# KiCad board MasterController.kicad_pcb (continued)
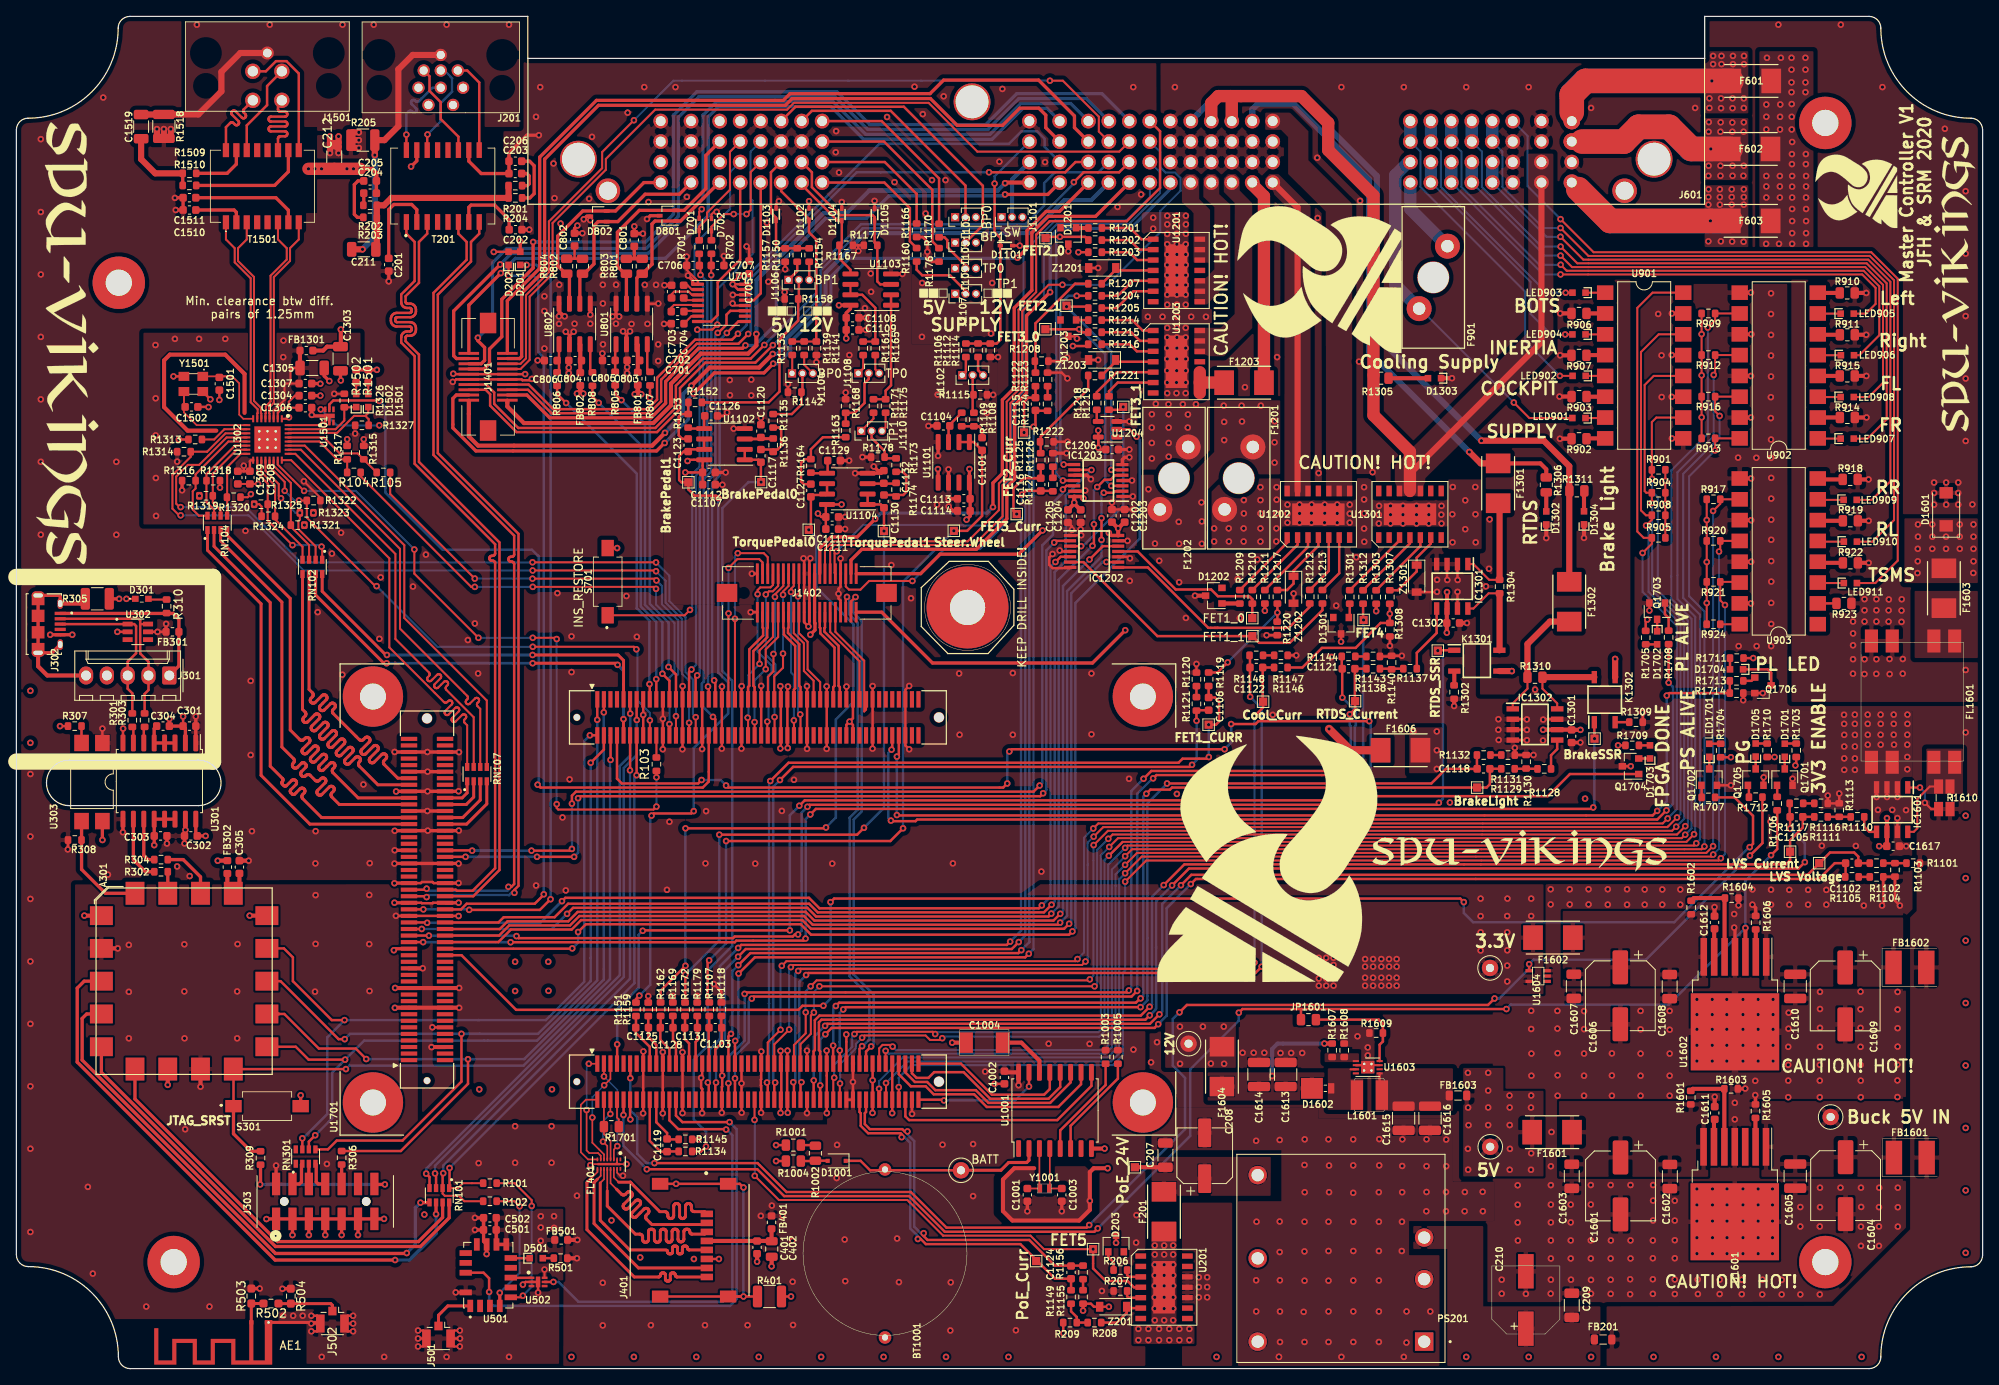
[diagram p0: board, top side]
## Routing (per net, layer and track width the routed paths; a pad name or vN(x,y) marks a point on that pad's centre or on a via; arc(x,y) is an arc through that point) (continued)
GND-1: length 19.9
  Top w0.75: J1501.5 27.33,160.53 25.02,158.22 25.02,155.85 22.21,153.04 R1518.2 17.99,153.03 C1519.2
  vias: v1(22.03,163.99) v1(30.92,163.99) v1(39.81,163.99)
GND-2: length 31.7
  Top w0.75: J201.9 48.37,160.3 46.62,158.55 46.62,151.6 44.92,149.9 R205.1 v1(43.75,148.07) ; v1(42.25,136.57) 40.92,136.57
  Bottom w0.75: v1(42.25,136.57) 43.75,138.07 v1(43.75,148.07)
  vias: v1(43.62,163.99) v1(52.51,163.99) v1(60.13,163.99)
GND-3: length 25.1
  Top w0.4: J302.S1 4.35,87.35 J302.S1 J302.S1 5.38,94.35 5.35,94.33 J302.S1
  Top w0.5: J301.5 3.77,84.58 2.65,85.7 J302.S1 ; R305.2 7.83,93.35 J302.S1
GND-4: length 37.5
  Top w0.3: v1(88.75,22.1) 88.3,22.55 v1(80.53,22.55) J401.S ; 86.84,22.59 J401.S ; v1(88.75,8.8) J401.S ; J401.S R401.2
  Bottom w0.3: v1(88.75,22.1) v1(88.75,8.8)
GND-LV_Unfiltered: length 19.9
  Top w0.5: D1304.1 v1(191.34,101.36) ; 189.82,113.47 v1(188.4,113.47) ; R911.2 v1(225.8,126.15) ; v1(226.09,98.32) R922.2 ; v1(175.22,120.85) D1303.1 ; R906.2 v1(188.44,128.76) ; v1(186.74,101.35) D1302.1 ; R907.2 v1(188.43,123.65) ; R918.2 v1(226.08,108.5) ; R915.2 v1(225.81,121.13) ; R919.2 v1(226.09,103.45) ; R903.2 v1(188.35,118.61) ; R910.2 v1(225.8,131.25) ; R914.2 v1(225.83,116.06)
  vias: v1(141.41,156.37) v1(149.96,119.75) v1(153.84,141.32) v1(153.88,123.42) v1(158.78,147.75) v1(158.84,140.4) v1(158.96,109.28) v1(161.73,156.37) v1(163.88,122.88) v1(164.01,142.5) v1(165.54,109.38) v1(169.35,156.37) v1(176.97,156.37) v1(179.38,95.45) v1(179.82,103.62) v1(179.75,97.6) v1(184.59,156.37) v1(185.38,82.85) v1(192.21,153.83) v1(204.91,153.83) v1(215.07,163.99) v1(222.69,163.99) v1(224.19,91.16) v1(224.19,89.71) v1(224.19,88.26) v1(224.19,86.56) v1(224.18,84.8) v1(225.59,93.89) v1(225.59,92.53) v1(225.59,91.16) v1(225.59,86.56) v1(225.57,84.75) v1(227.03,93.89) v1(227.03,92.53) v1(227.03,91.16) v1(227.03,86.56) v1(227.03,84.78) v1(227.77,156.37) v1(228.53,92.53) v1(228.53,91.15) v1(228.55,93.85) v1(228.63,86.58) v1(228.65,84.75) v1(230.12,93.88) v1(230.1,92.5) v1(230.1,91.12) v1(230.25,84.8) v1(230.26,86.58) v1(234.07,108.12) v1(234.07,106.85) v1(234.07,105.42) v1(235.39,151.29) v1(235.55,108.12) v1(235.55,105.42) v1(237.02,108.12) v1(237.02,106.85) v1(237.02,105.42) v1(237.93,143.67) v1(237.93,136.05) v1(237.93,128.43) v1(237.93,120.81) v1(237.93,113.19) v1(237.93,85.25) v1(238.75,105.45)
GND-USB: length 14.9
  Top w0.25: D301.1 v1(13.43,93.93)
  Top w0.3: U302.2 v1(12.33,89.9) ; v1(13.02,78.1) 13.01,78.08 U301.8 ; R307.1 v1(5.33,78.4) ; C301.2 v1(20.35,79.58)
  Top w0.4: v1(4.12,89.55) J302.5 v1(6.83,89.55) ; R305.1 v1(12.54,93.93) ; v1(18.67,79.28) C304.2 C301.2 20.63,78.12 U301.2
  vias: v1(1.71,82.71) v1(1.71,76.36)
VBUS: length 11.4
  Top w0.3: FB301.2 v1(17.23,89.9) U302.5 ; v1(10.5,78.1) 10.49,78.09 U303.1 ; v1(21.9,79.58) C301.1 U301.1
  Top w0.4: v1(18.27,90.88) 18.26,90.86 FB301.2 ; U301.1 v1(21.9,79.58)
(no net): length 29.1
  Top w0.5: 27.85,116.62 27.85,121.38 25.5,123.72 18.73,123.72 18.02,123.03 18.02,117.33 20.9,114.45 24.4,114.45
  vias: v1(191.47,69.55)
+BATT: length 24.9
  Top w0.3: 115.2,24.3 TP1001.1 104.2,24.2 103.05,25.35 D1001.1
  Top w0.375: TP1001.1 120.18,24.2 121.12,25.15 123.32,25.15 123.6,25.43 U1001.2
/Actuator/Cool_V_Out: length 115.1
  Top w0.5: 166,120.88 165.65,121.22
  Top w0.75: U1301.11 170.1,109.2 186.15,125.25 J601.1-G4
  Top w1.5: 148.35,152.22 148.35,155.12 148.2,155.28 ; 145.85,152.22 145.85,154.43 146.7,155.28 148.2,155.28 ; U1301.11 170.1,111.88 165.65,116.33 165.65,143.15 160.12,148.68 160.12,152 156.85,155.28 148.2,155.28
/Bluetooth/BT_CONN: length 7.4
  Top w0.35: R502.1 32,7.93
  Top w0.37: 32,7.93 38.37,7.93 38.58,7.72 J502.1
/Bluetooth/BT_IFA: length 3.8
  Top w0.37: AE1.1 R503.1 R502.2
/Bluetooth/RXD: length 18.8
  Top w0.25: v1(61.83,8.9) 61.62,8.7 U501.5 ; R101.2 60.83,22.62 62.9,20.55 v1(62.9,19.85)
  Bottom w0.25: v1(62.9,19.85) 62.9,9.97 v1(61.83,8.9)
/Bluetooth/TXD: length 16.2
  Top w0.25: R102.2 60.8,20.43 v1(61.42,19.8)
  Top w0.4: U501.4 v1(59,9.25)
  Bottom w0.25: v1(61.42,19.8) 61.42,11.68 v1(59,9.25)
/Brake_V: length 3.8
  Top w0.3: IC1302.5 188.07,75.59 187.32,74.84 R1128.2
/CAN_Interface/CAN0_D: length 42.9
  Top w0.3: v1(67.1,117.83) 66,118.92 R806.1 ; U1701.JX1.17 77.31,83.49 v1(77.28,83.53)
  Bottom w0.3: v1(77.28,83.53) 77.28,91.24 75.72,92.79 75.72,109.2 v1(67.1,117.83)
/CAN_Interface/CAN0_H: length 26.7
  Top w0.4: 78.65,144.72 76.59,144.72 73.13,141.26 D802.2 69.14,141.26 66.07,138.19 66.07,134.57 67.04,133.6 R804.1 67.5,133.27 U802.7
  In2.Cu w0.4: 78.65,147.22 78.65,144.72
/CAN_Interface/CAN0_L: length 26.9
  Top w0.4: U802.6 68.78,133.27 R802.1 69.3,133.6 70.5,134.8 70.5,139.45 71.01,139.96 D802.1 73.41,139.96 76.75,143.3 80.92,143.3 82.35,144.72
  In2.Cu w0.4: 82.35,144.72 82.35,147.22
/CAN_Interface/CAN0_R: length 41.5
  Top w0.3: v1(71.08,117.85) 70.31,118.62 R808.2 ; U1701.JX1.19 78.11,84.11 v1(78.1,84.12)
  Bottom w0.3: v1(71.08,117.85) 76.22,112.71 76.22,92.99 78.1,91.12 v1(78.1,84.12)
/CAN_Interface/CAN1_D: length 41.1
  Top w0.3: R805.1 73.09,118.94 v1(73.85,118.17) ; v1(78.85,84.79) 79.71,83.93 U1701.JX1.23
  Bottom w0.3: v1(78.85,84.79) 78.85,91.08 76.72,93.2 76.72,115.3 v1(73.85,118.17)
/CAN_Interface/CAN1_H: length 31.1
  Top w0.4: 85.85,149.72 84.15,148.03 84.15,143.98 81.5,141.33 D801.2 76.03,141.33 73.36,138.66 73.36,134.51 73.35,134.5 74.46,133.39 74.46,129.95 U801.7
  In2.Cu w0.4: 85.85,149.72 85.85,152.22
/CAN_Interface/CAN1_L: length 23.5
  Top w0.4: 77.58,134.75 77.58,139.66 77.95,140.03 D801.1 81.07,140.03 85.77,144.72 85.85,144.72 ; 77.58,134.75 76.42,133.59 R801.1 76.37,133.57 76.22,133.57 75.73,133.09 U801.6 ; 77.58,134.75 77.58,134.75
  In2.Cu w0.4: 85.85,147.22 85.85,144.72
/CAN_Interface/CAN1_R: length 39.6
  Top w0.3: R807.2 77.34,118.49 v1(77.33,118.47) ; v1(79.6,85.61) 80.51,84.7 U1701.JX1.25
  Bottom w0.3: v1(77.33,118.47) 77.33,93.31 79.6,91.03 v1(79.6,85.61)
/CMC/AMS_Supply: length 38.9
  Top w0.75: 153.35,144.72 156.38,141.69 156.38,107.09
/CMC/BP0_Sig: length 24.3
  Top w0.25: R1133.2 94.7,125.33 R1141.2 ; 93.52,144.72 93.35,144.72
  Top w0.3: 93.35,144.72 93.35,143.68 96.75,140.28 D1102.1 96.75,138.65 97.63,137.77 97.63,125.34 R1141.2
/CMC/BP0_Supply: length 28.1
  Top w0.3: J1103.2 115.85,144.35 106.72,153.48 97.1,153.48 95.85,152.22
/CMC/BP1_Sig: length 15.3
  Top w0.3: 93.35,147.22 92.1,145.97 92.1,141.06 92.72,140.44 D1103.1 ; D1103.1 92.72,137 93.02,136.7 96.77,136.7 ; D1103.1 92.72,140.25
/CMC/BP1_Supply: length 37.1
  Top w0.3: 93.35,152.22 95.1,153.98 108.32,153.98 117.97,144.33 117.97,139.52 J1105.2
/CMC/BrakeLight_Supply: length 91.6
  Top w0.5: 189.57,107.47 189.54,107.49
  Top w0.75: 189.54,96.14 189.54,110.11 186.44,113.22 v1(178.82,113.22)
  Bottom w0.75: 143.35,152.22 146.43,155.3 156.27,155.3 166.06,145.51 166.06,125.99 v1(178.82,113.22)
/CMC/INS_RESTORE: length 73.4
  Top w0.25: 72.17,91.92 81.57,91.92 v1(82.22,92.58) ; v1(83.11,126.78) 84.95,126.78 v1(85.56,127.38)
  Bottom w0.25: v1(83.11,126.78) 83.38,126.5 83.38,110.03 82.49,109.14 ; 90.85,149.72 89.62,148.5 89.62,142.75 89.86,142.51 89.86,136.01 85.56,131.71 v1(85.56,127.38) ; 83.11,109.76 82.49,109.14 ; 82.49,109.14 82.49,92.85 v1(82.22,92.58)
/CMC/INS_RS232RX: length 20.1
  Top w0.3: U701.8 84.82,127.77 85.6,128.55 85.6,132.56 88.35,135.31 88.35,144.72
  Top w0.4: 88.35,144.72 88.35,144.62
/CMC/INS_RS232TX: length 15.8
  Top w0.3: 90.85,144.72 90.85,131.2 90.02,130.37 U701.13
/CMC/INS_SYNC_I: length 69
  Top w0.3: U1701.JX1.29 82.11,85.02 v1(82.4,85.31)
  Bottom w0.25: 88.35,147.22 87.12,146 87.12,141.52 82.77,137.17 82.77,133.1 83.83,132.04 83.83,109.85 82.94,108.96 82.94,85.85 v1(82.4,85.31)
/CMC/INS_SYNC_O: length 14.4
  Top w0.25: R701.2 83.34,139.34 83.67,139.68 ; 83.67,139.68 83.88,139.88 ; 83.67,139.68 84.3,140.3 84.3,141.05 87.1,143.85 87.1,148.47 88.35,149.72
/CMC/RTDS_Supply: length 69.4
  Top w0.5: R1306.1 186.74,109.73 186.02,110.45 F1301.1
  Top w0.75: F1301.1 180.86,110.46 178.74,110.46 v1(177.35,111.85)
  Bottom w0.75: 150.85,152.22 150.85,153.65 151.55,154.35 155.88,154.35 165.11,145.12 165.11,124.09 v1(177.35,111.85)
/CMC/SC0_I: length 9.6
  Bottom w1.5: J601.1-A4 170.15,141.49 F901.1
/CMC/SC1_I: length 40.2
  Top w0.25: LED902.2 v1(188.39,121.13)
  Bottom w0.25: J601.1-A2 171.38,148.5 171.38,144.19 184.15,131.41 184.15,125.38 v1(188.39,121.13)
  Bottom w1.5: J601.1-A1 J601.1-A2
/CMC/SC1_O: length 44.2
  Top w0.25: LED901.2 184.67,115.99 v1(182.78,117.88)
  Bottom w0.25: F901.2 171.32,129.34 v1(182.78,117.88)
  Bottom w1.5: J601.1-A3 169.91,147.22 168.3,145.61 168.3,132.26 F901.2
/CMC/SC2_I: length 29.9
  Top w0.25: LED903.2 v1(189.1,131.28)
  Bottom w0.25: v1(189.1,131.28) 186.78,131.28 173.88,144.19 173.88,148.5 J601.1-B2
  Bottom w1.5: J601.1-B2 J601.1-B1
/CMC/SC3_I: length 29.7
  Top w0.25: LED904.2 v1(189.04,126.19)
  Bottom w0.25: J601.1-B4 172.7,144.72 184.82,132.61 184.82,128.7 187.33,126.19 v1(189.04,126.19)
  Bottom w1.5: J601.1-B4 J601.1-B3
/CMC/SC4_I: length 64.7
  Top w0.25: LED905.2 225.75,128.73 226.94,129.92 226.94,131.87 225.3,133.51 v1(188.48,133.51)
  Bottom w0.25: v1(188.48,133.51) 186.37,133.51 J601.1-C4
  Bottom w1.5: J601.1-C4 J601.1-C3
/CMC/SC5_I: length 74.7
  Top w0.25: 188.48,134.71 v1(188.5,134.69) 189.23,133.96 225.49,133.96 227.39,132.06 227.39,126.1 224.95,123.66 LED906.2
  Bottom w0.25: v1(188.5,134.69) 185.87,134.69 176.38,144.19 176.38,148.5 J601.1-C2
  Bottom w1.5: J601.1-C1 J601.1-C2
/CMC/SC6_I: length 84.4
  Top w0.25: LED907.2 225.94,113.48 228.29,115.83 228.29,132.43 225.85,134.87 190.53,134.87 v1(188.49,136.91)
  Bottom w0.25: v1(188.49,136.91) 186.15,136.91 178.88,144.19 178.88,148.5 J601.1-D2
  Bottom w1.5: J601.1-D1 J601.1-D2
/CMC/SC7_I: length 74.1
  Top w0.25: LED908.2 226.11,118.56 227.84,120.29 227.84,132.24 225.67,134.41 189.88,134.41 v1(188.48,135.81)
  Bottom w0.25: J601.1-D4 186.56,135.81 v1(188.48,135.81)
  Bottom w1.5: J601.1-D4 J601.1-D3
/CMC/SC8_I: length 85.5
  Top w0.25: v1(188.47,138.11) 191.26,135.32 226.04,135.32 228.74,132.62 228.74,108.27 226.48,106.01 LED909.2
  Bottom w0.25: J601.1-E4 186.76,138.11 v1(188.47,138.11)
  Bottom w1.5: J601.1-E3 J601.1-E4
/CMC/SC10_I: length 99.1
  Top w0.25: LED911.2 226.91,95.86 229.64,98.59 229.64,132.99 226.41,136.22 192.52,136.22 v1(188.48,140.26)
  Bottom w0.25: v1(188.48,140.26) 184.46,144.28 184.46,150.41 J601.1-F1
/CMC/SC10_O: length 96
  Top w0.25: LED910.2 226.56,100.91 229.19,103.54 229.19,132.8 226.22,135.77 191.89,135.77 v1(188.48,139.18)
  Bottom w0.25: v1(188.48,139.18) 186.38,139.18 181.38,144.19 181.38,148.5 J601.1-E2
  Bottom w1.5: J601.1-E1 J601.1-E2
/CMC/SW_Sig: length 30.7
  Top w0.3: R1106.2 R1114.2 119.66,125.08 120.1,125.53 D1101.1 120.1,137.97 119.4,138.68 v1(119.4,144.6)
  Bottom w0.3: v1(119.4,144.6) 119.4,145.47 123.65,149.72 123.65,149.62
/CMC/SW_Supply: length 7.6
  Bottom w0.5: J1101.2 121.53,145.1 123.65,147.22
/CMC/TP0_Ground: length 16.8
  Top w0.3: R1166.1 109.88,143.34 106,147.22 98.35,147.22
/CMC/TP0_Sig: length 14.3
  Top w0.25: 95.85,144.63 95.85,144.72
  Top w0.3: U1103.5 101.81,134.09 100.46,135.44 R1167.2 100.75,137.35 D1104.1 100.24,140.07 95.85,144.46 95.85,144.72
/CMC/TP0_Supply: length 17.2
  Top w0.3: 98.35,144.72 105.95,144.72 109.06,141.62 109.06,137.56 R1160.1
/CMC/TP1_Ground: length 23.3
  Top w0.3: R1176.1 111.8,137.54 111.8,143.83 105.9,149.72 98.35,149.72
/CMC/TP1_Sig: length 22.6
  Top w0.3: 95.85,147.22 97.1,145.97 97.1,144.16 100.52,140.75 104.53,140.75 104.75,140.53 D1105.1 104.75,137.4 R1177.2 105.09,132.66 105.45,132.3 U1103.3
/CMC/TP1_Supply: length 22.7
  Top w0.3: R1170.1 112.62,145.22 105.62,152.22 98.35,152.22
/CMC_EXP1: length 99
  Top w0.4: 55.22,123.88 55.22,129.77 v1(59.13,133.68)
  Bottom w0.4: v1(59.13,133.68) 60.93,135.47 79.22,135.47 84.45,140.7 84.45,152.75 85.7,154 99.42,154 103.43,150 119.07,150 122.85,153.78 125.8,153.78 127.35,152.22
/CMC_EXP2: length 100.4
  Top w0.4: J1401.2 59.92,130.3 63.88,134.25 63.88,147.83 70.8,154.75 93.61,154.75 94.44,155.58 111.53,155.58 113.18,157.23 124.77,157.23 129.15,152.85 129.15,151.43 130.85,149.72
/CMC_EXP3: length 105.6
  Top w0.4: v1(59.05,134.73) 53.38,129.05 53.38,123.59 53.71,123.25 55.22,123.25
  Bottom w0.4: 130.85,152.22 128.7,154.38 122.6,154.38 118.83,150.6 103.67,150.6 99.67,154.6 85.45,154.6 83.8,152.95 83.8,142.76 77.12,136.08 60.4,136.08 v1(59.05,134.73)
/CMC_EXP4: length 97.8
  Top w0.4: 127.35,149.72 125.65,151.43 125.65,152.95 124.8,153.8 122.47,153.8 120.38,151.7 114.84,151.7 111.56,154.98 94.69,154.98 93.86,154.15 71.05,154.15 64.48,147.58 64.48,134 61.67,131.2 61.67,123.49 61.43,123.25 J1401.4
/CMC_EXP5: length 110.1
  Top w0.4: v1(56.33,125.79) 56.33,125.43 57.15,124.6 57.15,123.03 56.73,122.61 55.22,122.61
  Bottom w0.4: 133.35,152.22 130.6,154.98 122.35,154.98 118.58,151.2 103.92,151.2 99.92,155.2 92.58,155.2 83.3,155.2 80.8,152.7 80.8,140.61 76.87,136.68 59.87,136.68 58.12,134.93 58.12,127.58 v1(56.33,125.79)
/CMC_EXP6: length 101.2
  Top w0.25: v1(75.38,152.32) 71.5,148.45 71.5,146.47 65,139.98 65,133.79 62.2,130.99 62.2,123.27 61.54,122.61 J1401.6 ; v1(126.15,157.15) 127.74,157.15 132.12,152.76 132.12,150.95 133.35,149.72
  Bottom w0.25: v1(126.15,157.15) 80.2,157.15 v1(75.38,152.32)
/CMC_EXP7: length 111.9
  Top w0.4: v1(63.08,137.48) 63.08,134.3 59.25,130.47 59.25,125.91 57.75,124.42 57.75,122.65 57.08,121.98 55.22,121.98
  Bottom w0.4: v1(63.08,137.48) 76.82,137.48 80.2,140.86 80.2,152.95 83.05,155.8 100.17,155.8 104.17,151.8 118.33,151.8 122.1,155.58 132.5,155.58 135.85,152.22
/CMC_EXP8: length 101.3
  Top w0.25: 135.85,149.72 134.62,148.5 117.3,148.5 111.35,154.45 94.9,154.45 94.08,153.62 77.97,153.62 71.95,147.6 71.95,146.29 65.45,139.79 65.45,133.6 62.65,130.8 62.65,123.09 61.54,121.98 J1401.8
/CMC_EXP9: length 99.5
  Top w0.3: 55.22,120.07 57.35,120.07 58.32,119.1 58.32,117.71 61.26,114.77 77.99,114.77 80.5,117.29 80.5,119.93 81.05,120.48 81.05,120.5 83.8,123.25 89.64,123.25 v1(91.3,124.91)
  Bottom w0.3: 133.35,147.22 132.1,145.97 126.78,145.97 125.45,144.65 125.45,141.89 123.21,139.65 103.1,139.65 97.63,134.18 97.63,131.24 v1(91.3,124.91)
/CMC_EXP10: length 89.9
  Top w0.3: J1401.14 62.53,120.07 65.53,117.07 77.04,117.07 78.2,118.24 78.2,120.9 82.85,125.55 87.35,125.55 v1(88.08,126.28)
  Bottom w0.3: 127.35,147.22 125.5,149.07 125.5,150.07 124.6,150.97 122.68,150.97 121.15,149.45 105.34,149.45 89.15,133.26 89.15,127.35 v1(88.08,126.28)
/CMC_EXP11: length 100.8
  Top w0.3: v1(92.34,124.89) 90.2,122.75 84.1,122.75 81,119.65 81,117.08 78.19,114.27 61.06,114.27 57.82,117.51 57.82,118.89 57.28,119.44 55.22,119.44 ; 135.85,147.22 134.6,145.97 130.28,145.97 v1(129.07,144.78)
  Bottom w0.3: v1(129.07,144.78) 129.07,144.6 123.62,139.15 103.31,139.15 98.17,134.02 98.17,130.72 v1(92.34,124.89)
/CMC_EXP12: length 90.2
  Top w0.3: v1(118.72,145.97) 128.03,145.97 129.28,147.22 130.85,147.22 ; J1401.16 62.46,119.44 65.32,116.57 77.24,116.57 78.7,118.03 78.7,120.68 79.25,121.23 79.25,121.24 83.06,125.05 88.12,125.05 v1(89.33,126.25)
  Bottom w0.3: v1(118.72,145.97) 102.57,145.97 89.65,133.05 89.65,126.58 v1(89.33,126.25)
/CMC_EXP13: length 103.2
  Top w0.4: v1(92.38,122.62) 91.25,121.5 85.2,121.5 v1(82.66,118.96) ; v1(122.2,135.55) 123.35,136.7 123.35,138.86 125.69,141.2 127.33,141.2 130.85,144.72 ; v1(79.13,112.95) 79.11,112.95 78.14,111.97 56.09,111.97 53.28,114.79 53.28,118.38 53.7,118.8 55.22,118.8
  Bottom w0.4: v1(82.66,118.96) 82.03,118.33 82.03,115.84 v1(79.13,112.95) ; v1(92.38,122.62) 92.94,122.62 94.5,124.18 94.5,125.28 99.43,130.21 99.43,133.25 101.65,135.47 122.12,135.47 v1(122.2,135.55)
/CMC_EXP14: length 86
  Top w0.4: 127.35,144.72 125.9,143.28 v1(120.68,143.28) ; J1401.18 62.31,118.8 65.09,116.02 77.47,116.02 79.25,117.81 79.25,120.45 79.8,121 79.8,121.02 83.28,124.5 88.64,124.5 v1(88.99,124.86)
  Bottom w0.4: v1(120.68,143.28) 120.5,143.1 106.5,143.1 103.75,140.35 98.77,140.35 92.78,134.35 92.78,127.51 90.12,124.86 v1(88.99,124.86)
/CMC_EXP15: length 101.6
  Top w0.4: 55.22,118.17 55.22,116.5
  Top w0.5: v1(82.38,119.92) 84.61,122.15 90.66,122.15 v1(92.32,123.81) ; v1(79.17,114.18) 77.61,112.62 56.35,112.62 55.22,113.75 55.22,118.03
  Bottom w0.5: 133.35,144.72 131.2,142.57 127.9,142.57 123.87,138.55 103.62,138.55 98.78,133.7 98.78,130.47 93.85,125.55 93.85,124.77 92.89,123.81 v1(92.32,123.81) ; v1(82.38,119.92) 82.38,119.91 81.38,118.9 81.38,116.39 v1(79.17,114.18)
/CMC_EXP16: length 99.6
  Top w0.4: J1401.20 59.92,117.88
  Top w0.5: 59.92,118.03 59.92,117.4 61.95,115.37 77.74,115.37 79.9,117.54 79.9,120.18 80.45,120.73 80.45,120.75 83.55,123.85 89.33,123.85 90.33,124.85 v1(90.33,126.25) ; v1(120.68,144.65) 120.76,144.72 123.65,144.72
  Bottom w0.5: 104.11,143.75 119.81,143.75 ; 104.11,143.75 119.78,143.75 v1(120.68,144.65) ; 104.11,143.75 101.36,141 98.5,141 90.33,132.83 v1(90.33,126.25)
/CMC_EXP17: length 76.2
  Top w0.4: J1402.26 98.06,100.12 99.42,101.48 102.63,101.48 v1(104.82,103.68) ; v1(119.2,105.12) 119.2,108.07 120.35,109.22 120.35,118.2 121.8,119.65 121.8,129.42 123.95,131.58 123.95,138.61 125.94,140.6 131.73,140.6 135.85,144.72
  Bottom w0.4: v1(119.2,105.12) 118.46,104.39 105.54,104.39 v1(104.82,103.68)
/CMC_EXP18: length 87.9
  Top w0.25: 124.47,138.39 124.47,131.36 122.32,129.21 122.32,119.43 120.87,117.98 120.87,108.95 119.92,108 119.92,104.75 116.13,100.95 99.64,100.95 98.7,100.01 J1402.28
  Top w0.3: 138.35,152.22 139.6,150.97 139.6,144.07 135.54,140.01 126.13,140.01 124.5,138.38
/CMC_EXP19: length 86.9
  Top w0.25: v1(127.68,132.25) 126,132.25 122.77,129.02 122.77,119.24 121.32,117.8 121.32,108.74 120.37,107.79 120.37,104 116.88,100.5 99.82,100.5 99.33,100.01 J1402.30
  Bottom w0.25: v1(127.68,132.25) 133.2,132.25 139.62,138.68 139.62,141.25 142.1,143.72 142.1,145.29 141.44,145.95 140.26,145.95 139.62,146.59 139.62,148.45 138.35,149.72
/CMC_EXP20: length 78.6
  Top w0.25: v1(100.13,99.73) 99.87,99.48 99.87,97.09 J1402.32
  Bottom w0.25: 138.35,144.72 138.35,142.95 135.5,140.1 126.81,140.1 122.92,136.21 122.92,119.21 121.47,117.76 121.47,108.69 120.38,107.59 120.38,103.4 119.84,102.86 115.63,102.86 115.55,102.95 103.35,102.95 v1(100.13,99.73)
/CMC_EXP21: length 82.1
  Top w0.25: v1(109.37,96.11) 104.08,96.11 103.03,95.05 101.62,95.05 101.24,95.44 J1402.36
  Bottom w0.25: 138.35,147.22 139.58,146 139.58,143.42 135.81,139.65 127,139.65 125.4,138.05 125.4,130.68 123.38,128.65 123.38,119.03 121.93,117.58 121.93,108.5 120.88,107.45 120.88,103.25 117.62,100 113.26,100 v1(109.37,96.11)
/CMC_EXP22: length 77.2
  Top w0.4: 126.18,131.36 v1(126.18,131.35) 123.3,128.47 123.3,119.03 121.85,117.58 121.85,108.53 120.9,107.57 120.9,103.7 117.18,99.98 103.2,99.98 101.87,98.65 J1402.38
  Bottom w0.4: 140.85,144.72 140.85,143.95 136.03,139.12 127.22,139.12 126.18,138.09 126.18,131.36 v1(126.18,131.35)
/Cool_V: length 17.1
  Top w0.3: R1146.2 156.97,85.55 159.36,87.94 163.47,87.94 166.51,90.98 R1308.1 167.64,91 R1307.2
  vias: v1(167.64,92.11)
/Driverless/COL: length 9.7
  Top w0.25: R104.1 R1317.2 39.15,110.95 36.98,113.12 U1302.28
/Driverless/CRS: length 12.6
  Top w0.25: U1302.29 37.53,113.62 39.47,111.68 41.65,111.68 R105.1
/Driverless/ETH1_RX+: length 11.4
  Top w0.3: T1501.16 25.58,151.48 26.08,151.97 26.13,152.02 26.19,152.05 26.25,152.06 26.32,152.06 26.39,152.05 26.45,152.02 26.5,151.97 26.66,151.81 26.72,151.77 26.78,151.74 26.84,151.72 26.91,151.72 26.97,151.74 27.04,151.77 27.09,151.81 27.13,151.86 27.16,151.92 27.17,151.99 27.17,152.06 27.16,152.12 27.13,152.18 27.09,152.24 26.34,152.99 26.29,153.04 26.26,153.1 26.25,153.17 26.25,153.23 26.26,153.3 26.29,153.36 26.34,153.41 26.39,153.45 26.45,153.48 26.51,153.5 26.58,153.5 26.65,153.48 26.71,153.45 26.76,153.41 27.51,152.66 27.56,152.62 27.62,152.59 27.69,152.57 27.76,152.57 27.82,152.59 27.88,152.62 27.94,152.66 27.98,152.71 28.01,152.77 28.02,152.84 28.02,152.91 28.01,152.97 27.98,153.03 27.94,153.08 27.77,153.25 27.73,153.3 27.7,153.36 27.69,153.43 27.69,153.49 27.7,153.56 27.73,153.62 27.77,153.67 J1501.2
/Driverless/ETH1_RX-: length 11.4
  Top w0.3: T1501.14 28.12,151.69 30.6,154.18 30.6,156.5 J1501.4
/Driverless/ETH1_TX+: length 16.1
  Top w0.3: J1501.1 31.93,154.29 31.93,153.67 31.94,153.6 31.96,153.54 32,153.48 32.04,153.44 32.1,153.4 32.16,153.38 32.23,153.37 32.77,153.37 32.83,153.36 32.9,153.34 32.95,153.3 33,153.26 33.04,153.2 33.06,153.14 33.07,153.07 33.06,153 33.04,152.94 33,152.88 32.95,152.84 32.9,152.8 32.83,152.78 32.77,152.77 31.09,152.77 31.03,152.76 30.96,152.74 30.91,152.7 30.86,152.66 30.82,152.6 30.8,152.54 30.79,152.47 30.8,152.4 30.82,152.34 30.86,152.28 30.91,152.24 30.96,152.2 31.03,152.18 31.09,152.17 32.77,152.17 32.83,152.16 32.9,152.14 32.95,152.1 33,152.06 33.04,152 33.06,151.94 33.07,151.87 33.06,151.8 33.04,151.74 33,151.68 32.95,151.64 32.9,151.6 32.83,151.58 32.77,151.57 31.09,151.57 31.03,151.56 30.96,151.54 30.91,151.5 30.86,151.46 30.82,151.4 30.8,151.34 30.79,151.27 30.8,151.2 30.82,151.14 30.86,151.08 30.91,151.04 30.96,151 31.03,150.98 31.09,150.97 32.77,150.97 32.83,150.96 32.9,150.94 32.95,150.9 33,150.86 33.04,150.8 33.06,150.74 33.07,150.67 33.06,150.6 33.04,150.54 33,150.48 32.95,150.44 32.9,150.4 32.83,150.38 32.77,150.37 32.23,150.37 32.16,150.36 32.1,150.34 32.04,150.3 32,150.26 31.96,150.2 31.94,150.14 31.93,150.07 T1501.11
/Driverless/ETH1_TX-: length 16.1
  Top w0.3: T1501.9 34.47,158.03 32.96,159.54 31.69,159.54 30.45,158.3 J1501.3
/Driverless/LED1: length 12.8
  Top w0.25: 42.6,116.25 41.22,116.25 39.15,114.17 33.22,114.17 U1302.30 ; 42.6,116.25 43,115.85 R1327.2 ; 42.6,116.25 42.95,116.6 D1501.1
/Driverless/LED2: length 10.4
  Top w0.25: U1302.31 38.96,114.62 40.03,115.69 R1326.2 41.45,117.3 D1502.1
/Driverless/RST: length 4.7
  Top w0.25: U1501.1 37.28,115.45 36.95,115.12 U1302.32
/Driverless/RX_CLK: length 14.2
  Top w0.25: U1302.19 29.9,109.41 31.58,107.74 31.58,103.63 34.92,100.28 RN102.4
/Driverless/RX_DV: length 17.4
  Top w0.25: U1302.18 29.4,109.28 30.67,108 30.67,103.51 v1(33.7,100.48) ; v1(37.25,100.3) 37.33,100.22 RN102.1
  Bottom w0.25: v1(33.7,100.48) 37.07,100.48 v1(37.25,100.3)
/Driverless/RX_ER: length 15.1
  Top w0.25: RN102.2 36.52,100.33 34.42,102.43 34.42,103.42 34.6,103.59 v1(34.6,104.42) ; v1(32.3,106.2) 32.03,106.47 32.03,107.93 30.4,109.55 U1302.20
  Bottom w0.25: v1(34.6,104.42) 34.08,104.42 v1(32.3,106.2)
/Driverless/RXD0: length 9
  Top w0.25: RN104.5 25.73,110 27.35,111.62 U1302.16
/Driverless/RXD1: length 11.2
  Top w0.25: R1319.2 23.98,106.22 ; U1302.15 26.9,112.12 23.98,109.2 23.98,105.67 24.92,104.72 RN104.6
/Driverless/RXD2: length 11.8
  Top w0.25: U1302.14 26.67,112.62 23.2,109.15 23.2,105.72 24.12,104.8 RN104.7
/Driverless/RXD3: length 14.5
  Top w0.25: RN104.8 22.27,104.08 21.52,104.83 21.52,107.05 21.88,107.4 21.88,109.12 25.88,113.12 U1302.13
/Driverless/RXN: length 25.6
  Top w0.25: T1501.3 28.12,137.78 27.05,136.71 27.05,135.16 29,133.21 29,118.08 29.85,117.23 29.85,116.59 29.9,116.54 U1302.6
/Driverless/RXP: length 25.6
  Top w0.25: U1302.7 29.4,116.54 29.45,116.59 29.45,117.07 28.6,117.92 28.6,133.04 26.65,134.99 26.65,136.71 25.58,137.78 T1501.1
/Driverless/TX_CLK: length 13.9
  Top w0.25: RN102.3 35.73,100.5 33.5,102.72 33.5,108.08 31.4,110.17 U1302.22
/Driverless/TX_EN: length 82.1
  Top w0.25: v1(56.4,89.17) 48.58,97 v1(48.58,99.95) ; v1(78.12,72.15) R103.1 ; 34.84,107.38 31.9,110.31 U1302.23 ; v1(65.95,89.03) 65.8,89.17 v1(63.03,89.17) ; v1(65.95,68.88) 65.95,68.4 66.14,68.21 77.76,68.21 v1(78.12,68.58)
  Top w0.3: 35.11,107.1 v1(35.12,107.1)
  Bottom w0.25: v1(48.58,99.95) 41.42,107.1 v1(35.12,107.1) ; v1(63.03,89.17) v1(56.4,89.17) ; v1(78.12,68.58) v1(78.12,72.15) ; v1(65.95,89.03) v1(65.95,68.88)
/Driverless/TXD0: length 54.2
  Top w0.25: U1302.24 33.54,110.85 45.53,98.86 45.53,88 52.17,81.35 52.23,81.3 52.29,81.27 52.35,81.26 52.42,81.26 52.49,81.27 52.55,81.3 52.6,81.35 52.7,81.45 52.75,81.49 52.82,81.52 52.88,81.53 52.95,81.53 53.01,81.52 53.07,81.49 53.13,81.45 53.17,81.4 53.2,81.34 53.21,81.27 53.21,81.2 53.2,81.14 53.17,81.08 53.13,81.02 52.35,80.25 52.31,80.2 52.28,80.14 52.27,80.07 52.27,80.01 52.28,79.94 52.31,79.88 52.35,79.83 52.41,79.79 52.47,79.76 52.53,79.74 52.6,79.74 52.67,79.76 52.73,79.79 52.78,79.83 53.55,80.6 53.6,80.64 53.66,80.67 53.73,80.69 53.8,80.69 53.86,80.67 53.92,80.64 53.97,80.6 54.02,80.55 54.05,80.49 54.06,80.42 54.06,80.35 54.05,80.29 54.02,80.23 53.97,80.18 53.2,79.4 53.16,79.35 53.13,79.29 53.12,79.23 53.12,79.16 53.13,79.09 53.16,79.03 53.2,78.98 53.25,78.94 53.32,78.91 53.38,78.89 53.45,78.89 53.51,78.91 53.57,78.94 53.63,78.98 54.4,79.75 54.45,79.79 54.51,79.82 54.58,79.84 54.64,79.84 54.71,79.82 54.77,79.79 54.82,79.75 54.87,79.7 54.89,79.64 54.91,79.57 54.91,79.51 54.89,79.44 54.87,79.38 54.82,79.33 54.72,79.22 54.68,79.17 54.65,79.11 54.63,79.05 54.63,78.98 54.65,78.91 54.68,78.85 54.72,78.8 55.02,78.5 RN107.8
/Driverless/TXD1: length 53.1
  Top w0.25: U1302.25 34.05,111.62 46.26,99.41 46.26,89.04 50.36,84.94 50.4,84.89 50.43,84.83 50.44,84.76 50.44,84.7 50.43,84.63 50.4,84.57 50.36,84.52 50.23,84.38 50.18,84.33 50.16,84.27 50.14,84.21 50.14,84.14 50.16,84.07 50.18,84.01 50.23,83.96 50.28,83.92 50.34,83.89 50.4,83.87 50.47,83.87 50.54,83.89 50.6,83.92 50.65,83.96 51.34,84.65 51.39,84.69 51.45,84.72 51.52,84.74 51.59,84.74 51.65,84.72 51.71,84.69 51.76,84.65 51.81,84.6 51.83,84.54 51.85,84.47 51.85,84.4 51.83,84.34 51.81,84.28 51.76,84.23 51.07,83.54 51.03,83.48 51,83.42 50.99,83.36 50.99,83.29 51,83.22 51.03,83.16 51.07,83.11 51.13,83.07 51.19,83.04 51.25,83.03 51.32,83.03 51.39,83.04 51.45,83.07 51.5,83.11 52.19,83.8 52.24,83.84 52.3,83.87 52.37,83.89 52.43,83.89 52.5,83.87 52.56,83.84 52.61,83.8 52.65,83.75 52.68,83.69 52.7,83.62 52.7,83.56 52.68,83.49 52.65,83.43 52.61,83.38 52.48,83.24 52.44,83.19 52.41,83.13 52.39,83.07 52.39,83 52.41,82.93 52.44,82.87 52.48,82.82 55.82,79.48 RN107.7